# Altium PCB 10X SD CARD READER PCB.PcbDoc (part 4 of 4)
Units mm, origin at the board's own origin, x right, y up, seen from the top; angles counter-clockwise.
Board outline 157.35 x 86.61 mm, 6 copper layers (Top Layer, Int1_GND1, Int2 Sig1, Int3_PWR1, Int4_GND2, Bottom Layer), stack 1.538 mm thick; 309 components, 269 nets, 1221 pads, 584 vias.
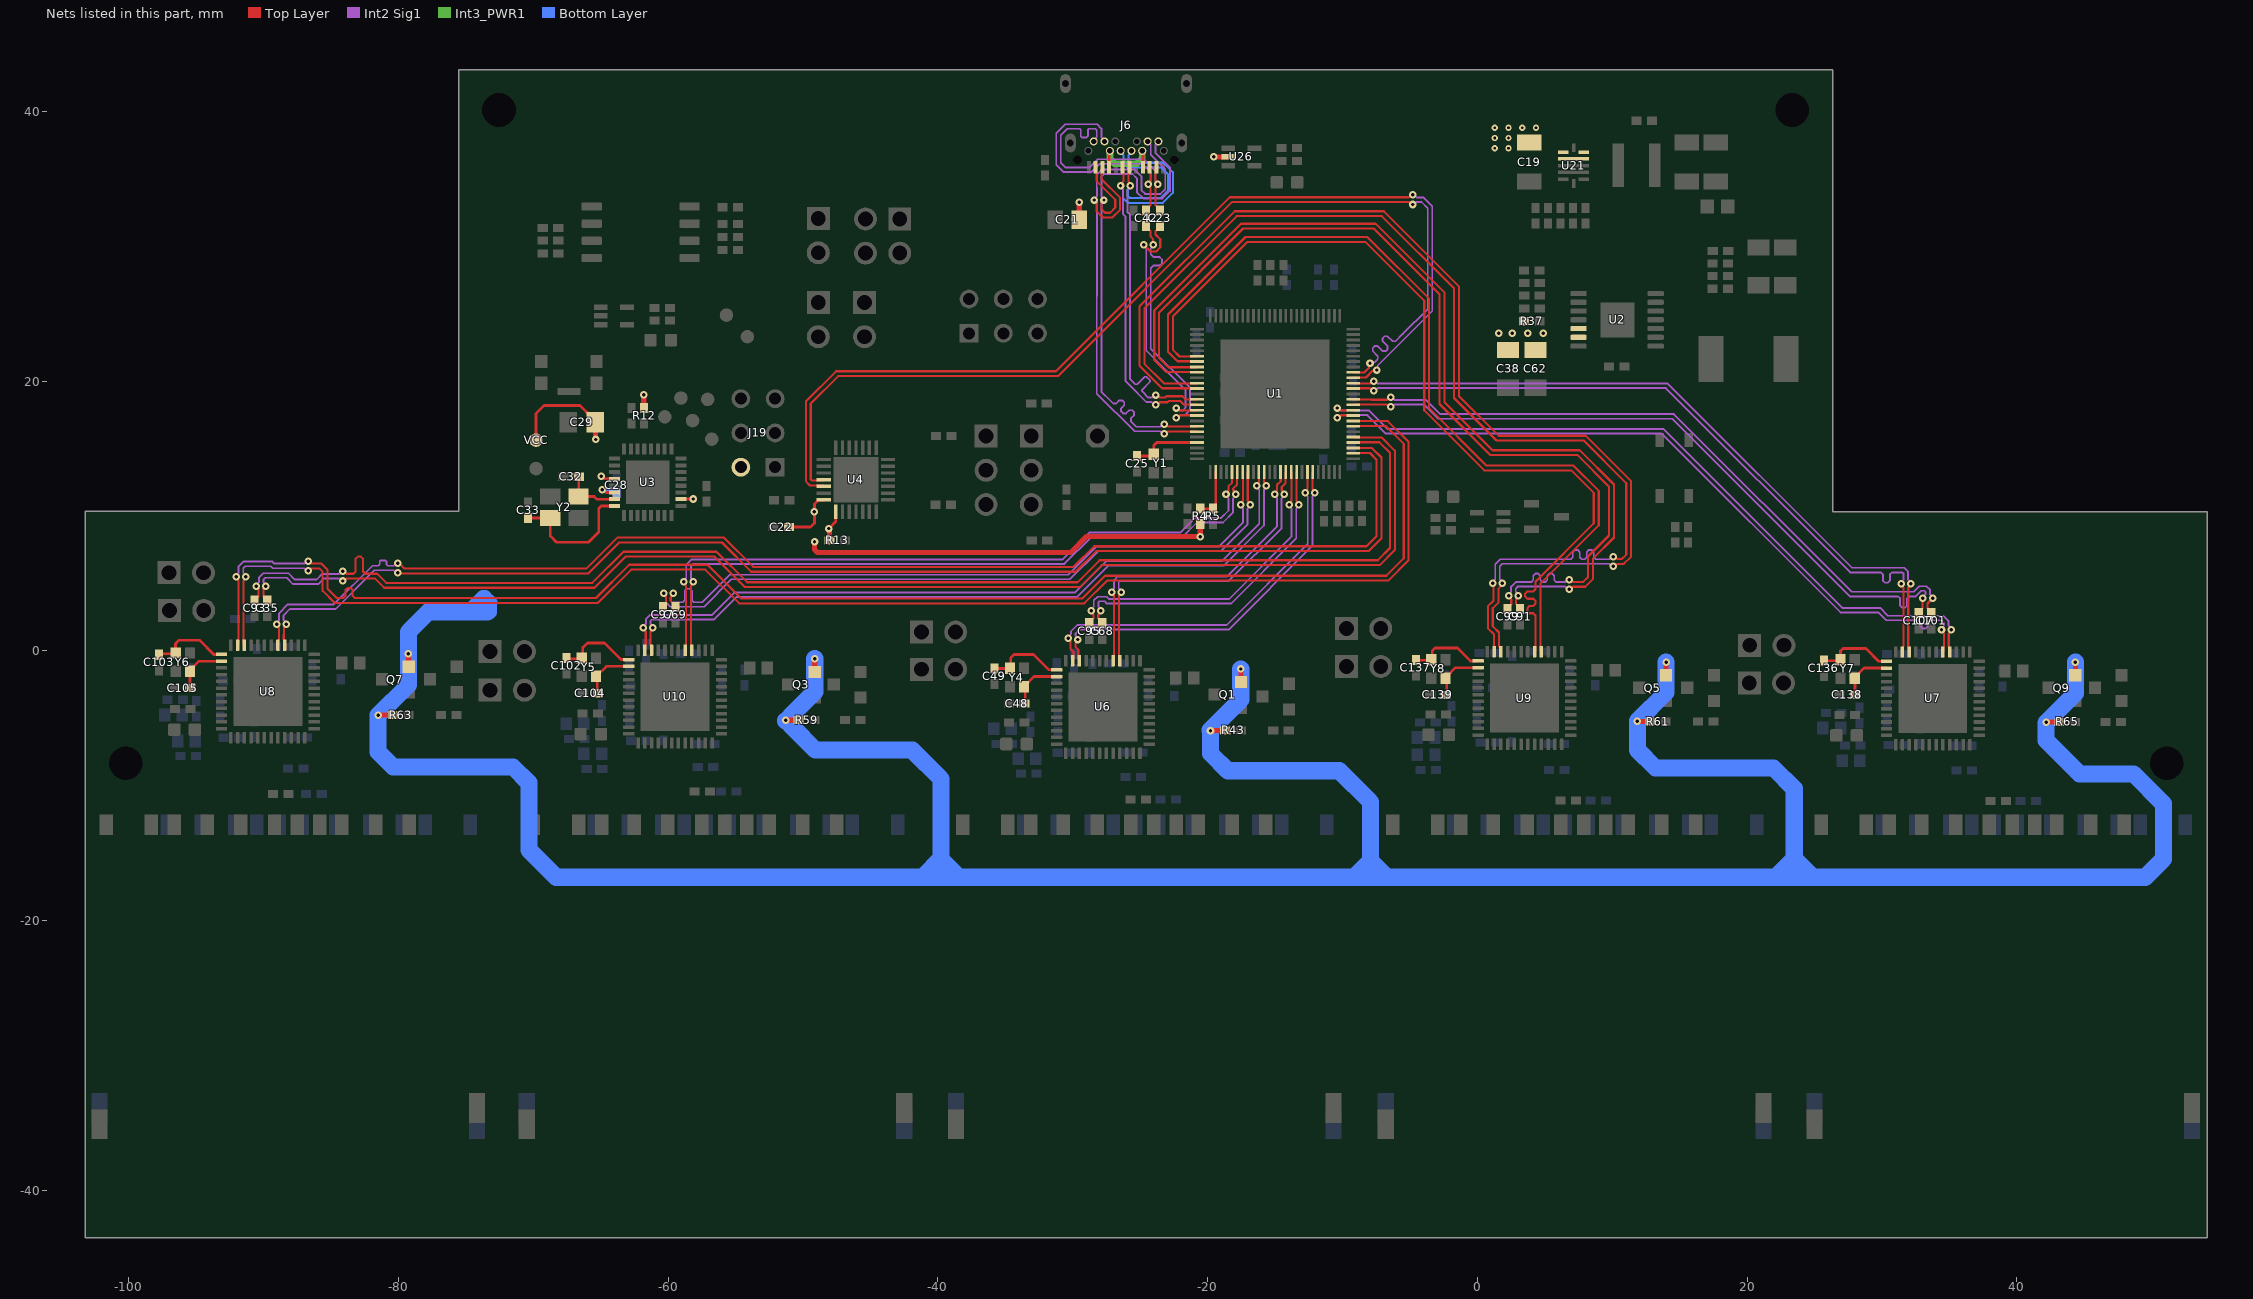
[diagram p8: the nets of this part, all layers, seen from the top]

## Via types
v1: diameter 0.559, hole 0.254, Top Layer to Bottom Layer, tented both sides, 572 vias
v2: diameter 0.457, hole 0.203, Top Layer to Bottom Layer, tented both sides, 12 vias

## Nets (pads, with @x,y where several pads share a name; then routed paths per layer and width w, separated by ;. In a path a pad name is that pad's centre, name@x,y a point inside that pad or via, vN(x,y) a via of type N, cw(c..) or ccw(c..) an arc to the next point about the centre after c; other vN are vias at no path point) (continued)
TX_N: C42.2 J6.A3 J6.B3 | length 19.4
  Top Layer w0.158: C42.2@-24.556,32.655 -24.556,32.73 -24.335,32.951 -24.321,32.951 -24.228,33.043 -24.228,33.806 -24.228,34.312 -24.403,34.486 v1(-24.403,34.595) -24.403,34.703 -24.228,34.878 -24.228,35.791 J6.A3@-24.298,35.86
  Int2 Sig1 w0.135: J6.B3@-27.648,37.77 -27.648,37.848 -27.881,38.081 -27.881,38.727 -28.198,39.044 -30.551,39.044 -31.227,38.368 -31.227,36.057 -30.664,35.494 -28.629,35.494 -28.013,36.11 -24.857,36.11 -24.217,35.47 -24.217,34.781 v1(-24.403,34.595)
TX_P: C23.2 J6.A2 J6.B2 | length 19.3
  Top Layer w0.158: J6.A2@-23.798,35.86 -23.867,35.791 -23.867,34.878 -23.692,34.703 v1(-23.692,34.595) -23.692,34.486 -23.867,34.312 -23.867,33.656 -23.867,33.043 -23.774,32.951 -23.76,32.951 -23.54,32.73 C23.2@-23.54,32.655
  Int2 Sig1 w0.135: J6.B2@-28.448,37.77 -28.448,37.853 -28.219,38.081 -28.219,38.586 -28.338,38.705 -28.8,38.705 -28.88,38.626 -28.88,38.154 -28.959,38.075 -29.334,38.075 -29.413,38.154 -29.413,38.626 -29.493,38.705 -30.411,38.705 -30.888,38.228 -30.888,36.197 -30.524,35.833 -28.77,35.833 -28.153,36.449 -24.717,36.449 -23.878,35.61 -23.878,34.781 v1(-23.692,34.595)
USB2.0_DN_PORT1_N: U1.6 U10.4 | length 51.5
  Top Layer w0.158: U10.4@-58.236,0.034 -58.287,0.084 -58.287,0.449 -58.306,0.467 -58.306,4.822 -58.131,4.997 v1(-58.131,5.105) ; v1(-17.926,11.608) -17.926,11.716 -18.1,11.891 -18.1,12.041 -17.82,12.322 -17.82,13.237 U1.6@-17.801,13.256
  Int2 Sig1 w0.135: v1(-58.131,5.105) -58.131,5.21 -58.317,5.396 -58.317,6.228 -58.102,6.443 -30.615,6.443 -28.634,8.424 -21.878,8.424 -20.788,9.514 -18.861,9.514 -18.112,10.264 -18.112,11.317 -17.926,11.503 v1(-17.926,11.608)
USB2.0_DN_PORT1_P: U1.5 U10.5 | length 51.5
  Top Layer w0.158: v1(-58.842,5.105) -58.842,4.997 -58.667,4.822 -58.667,0.467 -58.685,0.449 -58.685,0.084 U10.5@-58.736,0.034 ; v1(-18.637,11.595) -18.637,11.704 -18.462,11.879 -18.462,12.191 -18.182,12.471 -18.182,13.237 U1.5@-18.201,13.256
  Int2 Sig1 w0.135: v1(-58.842,5.105) -58.842,5.21 -58.656,5.396 -58.656,6.368 -58.242,6.782 -30.756,6.782 -28.774,8.763 -22.018,8.763 -20.928,9.853 -19.002,9.853 -18.45,10.404 -18.45,11.304 -18.637,11.491 v1(-18.637,11.595)
USB2.0_DN_PORT2_N: U1.15 U6.4 | length 24.2
  Top Layer w0.158: U6.4@-26.515,-0.728 -26.566,-0.678 -26.566,-0.313 -26.584,-0.295 -26.584,4.06 -26.486,4.158 -26.486,4.267 v1(-26.409,4.343) ; v1(-14.326,11.608) -14.326,11.716 -14.5,11.891 -14.5,12.143 -14.22,12.423 -14.22,13.237 U1.15@-14.201,13.256
  Int2 Sig1 w0.135: v1(-26.409,4.343) -26.409,4.448 -26.595,4.634 -26.595,5.102 -26.516,5.182 -18.419,5.182 -14.512,9.089 -14.512,11.317 -14.326,11.503 v1(-14.326,11.608)
USB2.0_DN_PORT2_P: U1.14 U6.5 | length 24.2
  Top Layer w0.158: v1(-27.12,4.343) -27.12,4.235 -26.945,4.06 -26.945,-0.295 -26.964,-0.313 -26.964,-0.678 U6.5@-27.015,-0.728 ; v1(-15.037,11.595) -15.037,11.704 -14.862,11.879 -14.862,12.293 -14.582,12.573 -14.582,13.237 U1.14@-14.601,13.256
  Int2 Sig1 w0.135: v1(-27.12,4.343) -27.12,4.448 -26.934,4.634 -26.934,5.243 -26.656,5.52 -18.559,5.52 -14.85,9.229 -14.85,11.304 -15.037,11.491 v1(-15.037,11.595)
USB2.0_DN_PORT3_N: U1.28 U8.4 | length 96.5
  Top Layer w0.158: U8.4@-88.434,0.415 -88.485,0.465 -88.485,0.83 -88.503,0.848 -88.503,1.218 -88.497,1.224 -88.497,1.682 -88.322,1.857 v1(-88.322,1.966) ; v1(-80.061,5.788) -80.008,5.735 -65.92,5.735 -63.622,8.034 -56.01,8.034 -53.838,5.862 -29.797,5.862 -28.267,7.391 -8.074,7.391 -7.112,8.353 -7.112,14.329 -7.811,15.028 -9.19,15.028 U1.28@-9.21,15.047
  Int2 Sig1 w0.135: v1(-88.322,1.966) -88.322,2.07 -88.515,2.263 -88.515,2.642 -88.057,3.099 -84.662,3.099 -81.786,5.975 -80.352,5.975 -80.166,5.788 v1(-80.061,5.788)
USB2.0_DN_PORT3_P: U1.27 U8.5 | length 96.6
  Top Layer w0.158: v1(-89.034,1.966) -89.034,1.857 -88.859,1.682 -88.859,1.374 -88.865,1.368 -88.865,0.848 -88.883,0.83 -88.883,0.465 U8.5@-88.934,0.415 ; v1(-80.061,6.5) -79.952,6.5 -79.55,6.097 -66.07,6.097 -63.772,8.395 -55.86,8.395 -53.688,6.223 -29.947,6.223 -28.417,7.753 -8.224,7.753 -7.473,8.503 -7.473,14.179 -7.961,14.667 -9.19,14.667 U1.27@-9.21,14.647
  Int2 Sig1 w0.135: v1(-89.034,1.966) -89.034,2.076 -88.853,2.257 -88.853,2.782 -88.198,3.437 -84.802,3.437 -81.926,6.313 -81.483,6.313 -81.382,6.415 -81.382,6.626 -81.302,6.706 -80.978,6.706 -80.899,6.626 -80.899,6.415 -80.797,6.313 -80.352,6.313 -80.166,6.5 v1(-80.061,6.5)
USB2.0_DN_PORT4_N: U1.35 U7.4 | length 55.6
  Top Layer w0.158: v1(-10.389,18.003) -10.28,18.003 -10.105,17.828 -9.229,17.828 U1.35@-9.21,17.847 ; U7.4@35.024,-0.093 34.973,-0.043 34.973,0.322 34.954,0.34 34.954,1.292 35.129,1.466 v1(35.129,1.575)
  Int2 Sig1 w0.135: v1(-10.389,18.003) -10.284,18.003 -10.098,17.817 -8.016,17.817 -6.642,16.442 13.809,16.442 27.068,3.183 29.862,3.183 30.446,2.599 34.541,2.599 34.943,2.198 34.943,1.866 35.129,1.68 v1(35.129,1.575)
USB2.0_DN_PORT4_P: U1.34 U7.5 | length 55.9
  Top Layer w0.158: v1(-10.389,17.292) -10.28,17.292 -10.105,17.467 -9.229,17.467 U1.34@-9.21,17.447 ; v1(34.418,1.575) 34.418,1.466 34.593,1.292 34.593,0.34 34.574,0.322 34.574,-0.043 U7.5@34.524,-0.093
  Int2 Sig1 w0.135: v1(-10.389,17.292) -10.284,17.292 -10.098,17.478 -8.156,17.478 -6.782,16.104 13.669,16.104 26.928,2.845 29.722,2.845 30.306,2.261 32.131,2.261 32.715,2.261 32.87,2.106 32.87,1.803 33.025,1.648 33.231,1.648 33.386,1.803 33.386,2.106 33.541,2.261 33.706,2.261 34.401,2.261 34.604,2.057 34.604,1.866 34.418,1.68 v1(34.418,1.575)
USB2.0_DN_PORT5_N: U1.82 U9.4 | length 65.8
  Top Layer w0.158: U1.82@-20.792,21.447 -20.811,21.467 -22.232,21.467 -22.942,22.177 -22.942,24.94 -17.194,30.689 -8.156,30.689 -3.576,26.109 -3.576,17.977 0.66,13.742 7.114,13.742 8.997,11.859 8.997,9.302 4.672,4.977 4.672,0.366 4.69,0.348 4.69,-0.017 U9.4@4.741,-0.068
USB2.0_DN_PORT5_P: U1.81 U9.5 | length 66
  Top Layer w0.158: U1.81@-20.792,21.847 -20.811,21.828 -22.082,21.828 -22.581,22.327 -22.581,24.79 -17.044,30.327 -8.305,30.327 -3.937,25.959 -3.937,17.828 0.51,13.381 6.965,13.381 8.636,11.709 8.636,9.452 4.366,5.182 4.31,5.126 4.31,4.563 4.149,4.401 3.707,4.401 3.546,4.24 3.546,4.024 3.707,3.862 4.149,3.862 4.31,3.7 4.31,3.485 4.149,3.323 3.869,3.323 3.708,3.161 3.708,2.945 3.869,2.784 4.149,2.784 4.31,2.622 4.31,2.261 4.31,0.366 4.292,0.348 4.292,-0.017 U9.5@4.241,-0.068
USB2.0_DN_PORT6_N: U1.41 U4.5 | length 76.4
  Top Layer w0.158: U4.5@-48.45,12.187 -48.498,12.235 -48.976,12.235 -48.997,12.257 -49.484,12.257 -49.789,12.561 -49.789,18.49 -47.546,20.732 -31.246,20.732 -18.349,33.63 -5.084,33.63 -4.909,33.805 v1(-4.801,33.805) ; U1.41@-9.21,20.247 -9.19,20.267 -8.258,20.267 -7.781,20.743 -7.534,20.743 v1(-7.457,20.82)
  Int2 Sig1 w0.135: v1(-7.457,20.82) -7.383,20.894 -7.383,21.158 -3.344,25.196 -3.344,32.963 -4,33.618 -4.51,33.618 -4.696,33.805 v1(-4.801,33.805)
USB2.0_DN_PORT6_P: U1.42 U4.4 | length 76.7
  Top Layer w0.158: U4.4@-48.45,12.687 -48.498,12.639 -48.976,12.639 -48.997,12.618 -49.335,12.618 -49.427,12.711 -49.427,18.34 -47.396,20.371 -31.097,20.371 -18.199,33.268 -5.084,33.268 -4.909,33.093 v1(-4.801,33.093) ; U1.42@-9.21,20.647 -9.19,20.628 -8.408,20.628 -8.037,20.999 -8.037,21.246 v1(-7.96,21.323)
  Int2 Sig1 w0.135: v1(-7.96,21.323) -7.886,21.397 -7.623,21.397 -7.431,21.589 -7.383,21.637 -7.383,21.856 -7.76,22.233 -7.76,22.453 -7.614,22.599 -7.395,22.599 -7.018,22.221 -6.799,22.221 -6.652,22.367 -6.652,22.586 -7.03,22.964 -7.03,23.183 -6.884,23.329 -6.665,23.329 -6.287,22.951 -6.068,22.951 -5.516,23.503 -3.683,25.337 -3.683,32.823 -4.14,33.28 -4.51,33.28 -4.696,33.093 v1(-4.801,33.093)
USB2.0_UP_D_N: J6.A7 J6.B7 U1.90 | length 33.5
  Top Layer w0.158: v1(-26.458,34.5) -26.458,34.608 -26.228,34.838 -26.228,35.791 J6.A7@-26.298,35.86 ; v1(-23.851,18.256) -23.742,18.256 -23.567,18.431 -22.979,18.431 -22.896,18.514 -22.011,18.514 -21.764,18.267 -20.811,18.267 U1.90@-20.792,18.247
  Int2 Sig1 w0.135: v1(-26.458,34.5) -26.458,34.395 -26.272,34.209 -26.272,32.368 -26.086,32.182 -26.086,19.994 -25.779,19.687 -24.534,18.442 -24.142,18.442 -23.955,18.256 v1(-23.851,18.256)
  Bottom Layer w0.158: v1(-26.458,34.5) -26.458,34.392 -26.283,34.217 -26.283,33.597 -25.904,33.217 -23.32,33.217 -22.575,33.962 -22.575,35.481 -23.289,36.195 -25.774,36.195 -25.867,36.288 -25.867,36.756 -25.648,36.976 J6.B7@-25.648,37.07
USB2.0_UP_D_P: J6.A6 J6.B6 U1.89 | length 33.5
  Top Layer w0.158: J6.A6@-25.798,35.86 -25.867,35.791 -25.867,34.793 -25.824,34.75 -25.824,34.577 v1(-25.747,34.5) ; v1(-23.851,18.967) -23.742,18.967 -23.567,18.792 -23.128,18.792 -23.045,18.875 -21.862,18.875 -21.614,18.628 -20.811,18.628 U1.89@-20.792,18.647
  Int2 Sig1 w0.135: v1(-25.747,34.5) -25.747,34.395 -25.933,34.209 -25.933,32.508 -25.747,32.322 -25.747,20.134 -25.375,19.761 -25.222,19.761 -24.656,20.327 -24.544,20.327 -24.275,20.059 -24.275,19.946 -24.861,19.36 -24.861,19.248 -24.394,18.781 -24.142,18.781 -23.955,18.967 v1(-23.851,18.967)
  Bottom Layer w0.158: J6.B6@-26.448,37.07 -26.448,36.976 -26.228,36.756 -26.228,36.138 -25.924,35.834 -23.438,35.834 -22.936,35.331 -22.936,34.112 -23.47,33.579 -25.754,33.579 -25.922,33.747 -25.922,34.217 -25.747,34.392 v1(-25.747,34.5)
USB3.0_DN_PORT1_RX_N: U1.11 U10.10 | length 54.9
  Top Layer w0.158: U10.10@-61.236,0.034 -61.287,0.084 -61.287,0.449 -61.306,0.467 -61.306,1.419 -61.131,1.593 v1(-61.131,1.702) ; U1.11@-15.801,13.256 -15.82,13.237 -15.82,12.511 -15.645,12.336 v1(-15.645,12.243)
  Int2 Sig1 w0.135: v1(-61.131,1.702) -61.131,1.807 -61.317,1.993 -61.317,2.21 -61.215,2.311 -56.62,2.311 -54.952,3.979 -29.701,3.979 -27.364,6.316 -18.808,6.316 -15.832,9.293 -15.832,11.952 -15.645,12.138 v1(-15.645,12.243)
USB3.0_DN_PORT1_RX_P: U1.10 U10.11 | length 54.9
  Top Layer w0.158: v1(-61.842,1.702) -61.842,1.593 -61.667,1.419 -61.667,0.467 -61.685,0.449 -61.685,0.084 U10.11@-61.736,0.034 ; v1(-16.356,12.243) -16.356,12.336 -16.182,12.511 -16.182,13.237 U1.10@-16.201,13.256
  Int2 Sig1 w0.135: v1(-61.842,1.702) -61.842,1.807 -61.656,1.993 -61.656,2.35 -61.356,2.65 -56.761,2.65 -55.093,4.318 -29.841,4.318 -27.504,6.655 -18.948,6.655 -16.17,9.433 -16.17,11.952 -16.356,12.138 v1(-16.356,12.243)
USB3.0_DN_PORT1_TX_N: C97.1 U1.8 | length 51.6
  Top Layer w0.158: v1(-60.342,4.267) -60.342,4.159 -60.159,3.976 -60.159,3.465 -60.173,3.451 C97.1@-60.173,3.327 ; U1.8@-17.001,13.256 -17.02,13.237 -17.02,12.02 -17.02,11.129 -16.845,10.954 v1(-16.845,10.846)
  Int2 Sig1 w0.135: v1(-60.342,4.267) -60.342,4.162 -60.156,3.976 -60.156,3.568 -59.856,3.268 -57.34,3.268 -55.308,5.3 -30.209,5.3 -28.126,7.383 -19.037,7.383 -17.032,9.388 -17.032,10.555 -16.845,10.741 v1(-16.845,10.846)
USB3.0_DN_PORT1_TX_P: C69.1 U1.7 | length 52.3
  Top Layer w0.158: v1(-59.631,4.267) -59.631,4.159 -59.798,3.992 -59.798,3.664 -59.464,3.33 C69.1@-59.464,3.255 ; v1(-17.556,10.846) -17.556,10.954 -17.382,11.129 -17.382,11.87 -17.382,13.237 U1.7@-17.401,13.256
  Int2 Sig1 w0.135: v1(-59.631,4.267) -59.631,4.162 -59.817,3.976 -59.817,3.708 -59.715,3.607 -59.055,3.607 -58.916,3.607 -58.761,3.762 -58.761,4.443 -58.606,4.598 -58.4,4.598 -58.245,4.443 -58.245,3.762 -58.09,3.607 -57.506,3.607 -57.48,3.607 -55.448,5.639 -30.349,5.639 -28.266,7.722 -19.177,7.722 -17.37,9.528 -17.37,10.555 -17.556,10.741 v1(-17.556,10.846)
USB3.0_DN_PORT2_RX_N: U1.20 U6.10 | length 28.2
  Top Layer w0.158: v1(-29.624,0.836) -29.624,0.728 -29.795,0.557 -29.795,0.29 -29.584,0.079 -29.584,-0.295 -29.566,-0.313 -29.566,-0.678 U6.10@-29.515,-0.728 ; U1.20@-12.201,13.256 -12.22,13.237 -12.22,12.018 -12.045,11.843 v1(-12.045,11.735)
  Int2 Sig1 w0.135: v1(-29.624,0.836) -29.624,0.951 -29.794,1.121 -29.794,1.297 -29.516,1.575 -18.444,1.575 -12.232,7.787 -12.232,11.444 -12.045,11.63 v1(-12.045,11.735)
USB3.0_DN_PORT2_RX_P: U1.19 U6.11 | length 28.2
  Top Layer w0.158: v1(-30.327,0.942) -30.327,0.833 -30.156,0.662 -30.156,0.14 -29.945,-0.071 -29.945,-0.295 -29.964,-0.313 -29.964,-0.678 U6.11@-30.015,-0.728 ; v1(-12.756,11.735) -12.756,11.843 -12.582,12.018 -12.582,13.237 U1.19@-12.601,13.256
  Int2 Sig1 w0.135: v1(-30.327,0.942) -30.327,1.038 -30.133,1.233 -30.133,1.437 -29.656,1.913 -18.584,1.913 -12.57,7.928 -12.57,11.444 -12.756,11.63 v1(-12.756,11.735)
USB3.0_DN_PORT2_TX_N: C68.1 U1.17 | length 23.7
  Top Layer w0.158: v1(-27.93,2.971) -27.93,2.863 -28.114,2.679 -28.114,2.415 -27.814,2.115 C68.1@-27.814,2.04 ; U1.17@-13.401,13.256 -13.42,13.237 -13.42,11.129 -13.245,10.954 v1(-13.245,10.846)
  Int2 Sig1 w0.135: v1(-27.93,2.971) -27.93,3.086 -28.1,3.255 -28.1,3.593 -28.02,3.673 -27.635,3.673 -27.467,3.505 -18.266,3.505 -13.432,8.34 -13.432,10.555 -13.245,10.741 v1(-13.245,10.846)
USB3.0_DN_PORT2_TX_P: C95.1 U1.16 | length 23.7
  Top Layer w0.158: C95.1@-28.775,2.04 -28.775,2.115 -28.475,2.415 -28.475,2.697 -28.641,2.863 v1(-28.641,2.971) ; v1(-13.956,10.846) -13.956,10.954 -13.782,11.129 -13.782,13.237 U1.16@-13.801,13.256
  Int2 Sig1 w0.135: v1(-28.641,2.971) -28.641,3.059 -28.438,3.262 -28.438,3.734 -28.161,4.011 -27.495,4.011 -27.327,3.844 -18.406,3.844 -13.77,8.48 -13.77,10.555 -13.956,10.741 v1(-13.956,10.846)
USB3.0_DN_PORT3_RX_N: U1.33 U8.10 | length 111.4
  Top Layer w0.158: U8.10@-91.434,0.415 -91.485,0.465 -91.485,0.83 -91.503,0.848 -91.503,5.203 -91.328,5.378 v1(-91.328,5.486) ; v1(-86.69,5.941) -86.582,5.941 -86.407,6.116 -85.872,6.116 -85.623,5.867 -85.623,4.442 -84.738,3.556 -65.199,3.556 -62.735,6.02 -57.239,6.02 -54.738,3.519 -29.145,3.519 -27.457,5.207 -6.601,5.207 -5.1,6.708 -5.1,15.491 -6.636,17.028 -9.19,17.028 U1.33@-9.21,17.047
  Int2 Sig1 w0.135: v1(-91.328,5.486) -91.328,5.591 -91.515,5.777 -91.515,6.121 -91.362,6.274 -89.484,6.274 -89.338,6.127 -86.981,6.127 -86.795,5.941 v1(-86.69,5.941)
USB3.0_DN_PORT3_RX_P: U1.32 U8.11 | length 111.9
  Top Layer w0.158: v1(-92.04,5.486) -92.04,5.378 -91.865,5.203 -91.865,0.848 -91.883,0.83 -91.883,0.465 U8.11@-91.934,0.415 ; v1(-86.69,6.652) -86.582,6.652 -86.407,6.477 -85.722,6.477 -85.262,6.017 -85.262,4.592 -84.588,3.917 -84.176,3.917 -84.096,3.917 -83.935,4.079 -83.935,4.506 -83.773,4.668 -83.557,4.668 -83.395,4.506 -83.395,4.079 -83.234,3.917 -82.525,3.917 -65.348,3.917 -62.885,6.381 -57.09,6.381 -54.589,3.88 -29.295,3.88 -27.607,5.568 -6.751,5.568 -5.461,6.858 -5.461,15.342 -6.786,16.667 -9.19,16.667 U1.32@-9.21,16.647
  Int2 Sig1 w0.135: v1(-92.04,5.486) -92.04,5.591 -91.853,5.777 -91.853,6.262 -91.502,6.612 -89.344,6.612 -89.197,6.466 -86.981,6.466 -86.795,6.652 v1(-86.69,6.652)
USB3.0_DN_PORT3_TX_N: C35.1 U1.30 | length 100.4
  Top Layer w0.158: v1(-89.843,4.801) -90.018,4.626 -90.018,4.025 C35.1@-89.73,3.738 ; v1(-84.125,5.179) -84.016,5.179 -83.842,5.354 -81.731,5.354 -81.051,4.674 -65.469,4.674 -63.16,6.982 -56.563,6.982 -54.299,4.719 -29.492,4.719 -27.861,6.35 -7.236,6.35 -6.116,7.47 -6.116,14.831 -7.113,15.828 -9.19,15.828 U1.30@-9.21,15.847
  Int2 Sig1 w0.135: v1@-90,4.884 -89.924,4.96 -89.924,4.996 -90,5.072 -90,5.31 -89.893,5.417 -88.294,5.417 -87.822,4.946 -85.939,4.946 -85.52,5.365 -84.416,5.365 -84.23,5.179 v1(-84.125,5.179)
USB3.0_DN_PORT3_TX_P: C93.1 U1.29 | length 101.8
  Top Layer w0.158: C93.1@-90.667,3.733 -90.379,4.021 -90.379,4.626 v1(-90.554,4.801) ; v1(-84.125,5.89) -84.016,5.89 -83.842,5.715 -83.414,5.715 -83.334,5.715 -83.173,5.877 -83.173,6.823 -83.011,6.985 -82.795,6.985 -82.633,6.823 -82.633,5.877 -82.472,5.715 -82.268,5.715 -81.582,5.715 -80.902,5.035 -65.619,5.035 -63.31,7.344 -56.414,7.344 -54.15,5.08 -29.642,5.08 -28.01,6.711 -7.386,6.711 -6.477,7.62 -6.477,14.681 -7.262,15.467 -9.19,15.467 U1.29@-9.21,15.447
  Int2 Sig1 w0.135: v1@-90.483,4.953 -90.483,4.986 -90.339,5.131 -90.339,5.45 -90.033,5.756 -88.153,5.756 -87.682,5.285 -86.079,5.285 -85.66,5.704 -84.416,5.704 -84.23,5.89 v1(-84.125,5.89)
USB3.0_DN_PORT4_RX_N: U1.40 U7.10 | length 53.2
  Top Layer w0.158: U1.40@-9.21,19.847 -9.19,19.828 -7.972,19.828 -7.797,20.003 v1(-7.688,20.003) ; U7.10@32.024,-0.093 31.973,-0.043 31.973,0.322 31.954,0.34 31.954,4.695 32.129,4.87 v1(32.129,4.978)
  Int2 Sig1 w0.135: v1(-7.688,20.003) -7.584,20.003 -7.397,19.817 14.118,19.817 27.779,6.155 31.665,6.155 31.943,5.878 31.943,5.269 32.129,5.083 v1(32.129,4.978)
USB3.0_DN_PORT4_RX_P: U1.39 U7.11 | length 53.9
  Top Layer w0.158: U1.39@-9.21,19.447 -9.19,19.467 -7.972,19.467 -7.797,19.292 v1(-7.688,19.292) ; v1(31.418,4.978) 31.418,4.87 31.593,4.695 31.593,0.34 31.574,0.322 31.574,-0.043 U7.11@31.524,-0.093
  Int2 Sig1 w0.135: v1(-7.688,19.292) -7.584,19.292 -7.397,19.478 13.977,19.478 27.639,5.817 29.337,5.817 29.921,5.817 30.076,5.662 30.076,5.2 30.231,5.045 30.437,5.045 30.592,5.2 30.592,5.662 30.747,5.817 30.963,5.817 31.525,5.817 31.604,5.737 31.604,5.269 31.418,5.083 v1(31.418,4.978)
USB3.0_DN_PORT4_TX_N: C101.1 U1.37 | length 51.2
  Top Layer w0.158: U1.37@-9.21,18.647 -9.19,18.628 -7.852,18.628 -7.845,18.621 -6.709,18.621 -6.535,18.796 v1(-6.426,18.796) ; C101.1@33.659,2.817 33.659,2.892 33.376,3.176 33.376,3.511 v1(33.756,3.892)
  Int2 Sig1 w0.135: v1(-6.426,18.796) -6.321,18.796 -6.135,18.61 -3.819,18.61 -2.76,17.551 14.58,17.551 27.754,4.377 32.369,4.377 32.784,4.792 33.292,4.792 33.569,4.515 33.569,4.183 33.756,3.997 v1(33.756,3.892)
USB3.0_DN_PORT4_TX_P: C107.1 U1.36 | length 51.6
  Top Layer w0.158: U1.36@-9.21,18.247 -9.19,18.267 -8.002,18.267 -7.995,18.26 -6.709,18.26 -6.535,18.085 v1(-6.426,18.085) ; C107.1@32.893,2.921 32.893,3.055 33.014,3.176 33.014,3.873 v1(33.039,3.897)
  Int2 Sig1 w0.135: v1(-6.426,18.085) -6.321,18.085 -6.135,18.271 -3.959,18.271 -2.9,17.213 14.439,17.213 27.614,4.039 30.607,4.039 31.191,4.039 31.346,3.884 31.346,3.342 31.501,3.188 31.707,3.188 31.862,3.342 31.862,3.884 32.017,4.039 32.106,4.039 32.509,4.039 32.924,4.454 33.151,4.454 33.231,4.374 33.231,4.183 33.039,3.991 v1(33.039,3.897)
USB3.0_DN_PORT5_RX_N: U1.87 U9.10 | length 84.5
  Top Layer w0.158: U1.87@-20.792,19.447 -20.811,19.467 -23.381,19.467 -25.05,21.135 -25.05,25.538 -17.995,32.593 -6.936,32.593 -1.366,27.024 -1.366,18.892 1.575,15.951 8.03,15.951 11.405,12.576 11.405,6.982 10.869,6.446 10.367,6.446 10.192,6.271 v1(10.084,6.271) ; U9.10@1.741,-0.068 1.741,0.222 1.603,0.361 1.603,1.363 1.144,1.821 1.144,3.16 1.556,3.572 1.556,4.605 1.847,4.896 v1(1.847,5.004)
  Int2 Sig1 w0.135: v1(1.847,5.004) 1.847,5.109 1.66,5.295 1.66,6.283 1.835,6.457 9.793,6.457 9.979,6.271 v1(10.084,6.271)
USB3.0_DN_PORT5_RX_P: U1.86 U9.11 | length 84.6
  Top Layer w0.158: U1.86@-20.792,19.847 -20.811,19.828 -23.232,19.828 -24.689,21.285 -24.689,25.388 -17.845,32.232 -7.086,32.232 -1.728,26.874 -1.728,18.743 1.425,15.59 7.88,15.59 11.043,12.426 11.043,7.132 10.719,6.807 10.367,6.807 10.192,6.982 v1(10.084,6.982) ; v1(1.136,5.004) 1.195,4.945 1.195,3.722 0.783,3.31 0.783,1.672 1.241,1.213 U9.11@1.241,-0.068
  Int2 Sig1 w0.135: v1(1.136,5.004) 1.136,5.109 1.322,5.295 1.322,6.424 1.694,6.796 6.858,6.796 6.926,6.796 7.081,6.951 7.081,7.324 7.236,7.479 7.442,7.479 7.597,7.324 7.597,6.951 7.752,6.796 7.958,6.796 8.113,6.951 8.113,7.324 8.268,7.479 8.475,7.479 8.63,7.324 8.63,6.951 8.785,6.796 9.347,6.796 9.793,6.796 9.979,6.982 v1(10.084,6.982)
USB3.0_DN_PORT5_TX_N: C91.1 U1.84 | length 72.4
  Top Layer w0.158: U1.84@-20.792,20.647 -20.811,20.667 -21.687,20.667 -23.057,20.667 -23.958,21.567 -23.958,25.239 -17.526,31.672 -7.539,31.672 -2.444,26.577 -2.444,18.446 1.128,14.874 7.583,14.874 10.129,12.328 10.129,8.402 8.566,6.838 8.566,5.314 7.998,4.747 7.09,4.747 6.916,4.572 v1(6.807,4.572) ; v1(3.031,4.098) 3.031,3.989 2.873,3.831 2.873,3.471 3.176,3.168 C91.1@3.176,3.093
  Int2 Sig1 w0.135: v1(3.031,4.098) 3.031,4.202 2.845,4.389 2.845,4.618 2.985,4.758 6.516,4.758 6.702,4.572 v1(6.807,4.572)
USB3.0_DN_PORT5_TX_P: C99.1 U1.83 | length 72.3
  Top Layer w0.158: U1.83@-20.792,21.047 -20.811,21.028 -21.537,21.028 -22.908,21.028 -23.597,21.717 -23.597,25.09 -17.376,31.31 -7.688,31.31 -2.805,26.427 -2.805,18.296 0.979,14.512 7.433,14.512 9.768,12.178 9.768,8.551 8.204,6.988 8.204,5.464 7.849,5.108 7.09,5.108 6.916,5.283 v1(6.807,5.283) ; C99.1@2.241,3.098 2.241,3.173 2.511,3.443 2.511,3.798 2.32,3.989 v1(2.32,4.098)
  Int2 Sig1 w0.135: v1(2.32,4.098) 2.32,4.202 2.506,4.389 2.506,4.758 2.845,5.097 3.925,5.097 3.993,5.097 4.147,5.252 4.147,5.569 4.302,5.724 4.509,5.724 4.664,5.569 4.664,5.252 4.819,5.097 5.025,5.097 5.18,5.252 5.18,5.569 5.335,5.724 5.542,5.724 5.697,5.569 5.697,5.252 5.852,5.097 6.071,5.097 6.516,5.097 6.702,5.283 v1(6.807,5.283)
USB3.0_UP_RXD_N: J6.A10 J6.B10 U1.95 | length 42.9
  Top Layer w0.158: v1(-28.397,33.426) -28.222,33.252 -28.222,32.591 -27.757,32.125 -27.079,32.125 -26.486,32.718 -26.486,33.602 -27.864,34.979 -27.864,35.794 J6.A10@-27.798,35.86 ; v1(-23.216,16.092) -23.107,16.092 -22.932,16.267 -20.811,16.267 U1.95@-20.792,16.247
  Int2 Sig1 w0.135: v1(-28.397,33.426) v1@-28.236,33.426 ; J6.B10@-24.448,37.77 -24.215,37.537 -24.215,36.788 -23.139,35.712 -23.139,34.239 -23.495,33.884 -24.638,33.884 -24.909,34.155 -24.909,35.174 -25.431,35.695 -27.819,35.695 -28.217,35.297 -28.217,34.33 -28.211,34.324 -28.211,33.717 -28.311,33.617 -28.311,33.501 v1@-28.236,33.426 ; v1(-23.216,16.092) -23.32,16.092 -23.507,16.278 -25.418,16.278 -28.217,19.077 -28.217,26.283 -28.211,26.289 -28.211,33.135 -28.311,33.236 -28.311,33.351 v1@-28.236,33.426
USB3.0_UP_RXD_P: J6.A11 J6.B11 U1.94 | length 42.8
  Top Layer w0.158: J6.A11@-28.298,35.86 -28.227,35.789 -28.227,35.398 -28.225,35.396 -28.225,34.829 -26.848,33.452 -26.848,32.868 -27.229,32.487 -27.607,32.487 -27.861,32.741 -27.861,33.252 v1(-27.686,33.426) ; v1(-23.216,16.803) -23.107,16.803 -22.932,16.628 -20.811,16.628 U1.94@-20.792,16.647
  Int2 Sig1 w0.135: J6.B11@-23.648,37.77 -23.876,37.541 -23.876,36.928 -22.801,35.853 -22.801,34.099 -23.355,33.545 -24.778,33.545 -25.248,34.014 -25.248,35.033 -25.571,35.357 -27.678,35.357 -27.878,35.157 -27.878,34.471 -27.872,34.465 -27.872,33.717 -27.686,33.531 v1(-27.686,33.426) -27.686,33.322 -27.872,33.135 -27.872,26.149 -27.878,26.143 -27.878,19.217 -27.203,18.542 -27.001,18.339 -26.781,18.339 -26.548,18.572 -26.329,18.572 -26.183,18.426 -26.183,18.207 -26.416,17.974 -26.416,17.755 -26.27,17.609 -26.051,17.609 -25.818,17.842 -25.599,17.842 -25.453,17.696 -25.453,17.477 -25.686,17.244 -25.686,17.025 -25.278,16.617 -25.268,16.617 -23.507,16.617 -23.32,16.803 v1(-23.216,16.803)
USB3.0_UP_TXD_N: C42.1 U1.92 | length 19.2
  Top Layer w0.158: C42.1@-24.556,31.505 -24.556,31.43 -24.228,31.103 -24.228,30.716 -24.04,30.527 -24.04,30.136 v1(-24.028,30.124) ; v1(-22.323,17.292) -22.215,17.292 -22.04,17.467 -20.811,17.467 U1.92@-20.792,17.447
  Int2 Sig1 w0.135: v1(-24.028,30.124) -24.028,30.02 -24.215,29.833 -24.215,29.489 -24.215,29.401 -24.022,29.208 -23.577,29.208 -23.384,29.015 -23.384,28.758 -23.577,28.565 -24.022,28.565 -24.215,28.372 -24.215,27.661 -24.215,22.408 -21.302,19.495 -21.302,17.88 -21.704,17.478 -22.032,17.478 -22.218,17.292 v1(-22.323,17.292)
USB3.0_UP_TXD_P: C23.1 U1.91 | length 19.3
  Top Layer w0.158: v1(-24.74,30.124) -24.74,30.113 -24.24,29.613 -23.817,29.613 -23.517,29.913 -23.517,30.516 -23.867,30.866 -23.867,31.103 -23.54,31.43 C23.1@-23.54,31.505 ; v1(-22.323,18.003) -22.215,18.003 -22.04,17.828 -20.811,17.828 U1.91@-20.792,17.847
  Int2 Sig1 w0.135: v1(-24.74,30.124) -24.74,30.02 -24.553,29.833 -24.553,22.267 -22.987,20.701 -21.755,19.469 -21.641,19.355 -21.641,18.02 -21.844,17.817 -22.032,17.817 -22.218,18.003 v1(-22.323,18.003)
VBUS: C19.2 C21.2 C22.1 C28.1 C29.1 C38.2 C62.2 J6.A4 J6.A9 J6.B4 J6.B9 J19.2 Q1.2 Q3.2 Q5.2 Q7.2 Q9.2 R4.2 R12.1 R13.1 R37.2 R43.1 R59.1 R61.1 R63.1 R65.1 U2.12 U2.13 U3.4 U3.6 U3.18 U4.7 U4.8 U21.1 U21.2 U21.8 U26.2 VCC.1 | length 343.4
  Top Layer w0.203: VCC.1@-69.799,15.621 -69.799,17.602 -69.215,18.186 -66.54,18.186 -65.634,17.28 C29.1@-65.634,17.221 ; v1(-64.948,12.929) -64.852,12.929 -64.674,12.751 U3.4@-63.983,12.751 ; v1(-64.897,11.938) -64.803,11.938 -64.6,11.735 U3.6@-63.983,11.735 ; U3.18@-59.055,11.252 -59.051,11.256 -59.049,11.254 -58.142,11.254 v1(-58.141,11.256) ; C22.1@-50.978,9.296 -50.854,9.172 -49.451,9.172 -49.157,9.466 v1(-49.157,10.312) -49.157,10.887 -48.857,11.187 U4.7@-48.45,11.187 ; v1(-48.082,9.068) -47.576,9.574 U4.8@-47.576,10.312 ; J6.A9@-27.298,35.86 -27.298,37.02 J6.B4@-27.248,37.07 ; J6.B9@-24.848,37.07 -24.798,37.02 J6.A4@-24.798,35.86
  Top Layer w0.381: v1(-81.509,-4.775) -81.502,-4.768 -80.435,-4.768 -80.428,-4.775 R63.1@-80.414,-4.761 ; v1(-79.264,-0.203) -79.25,-0.217 -79.25,-1.135 -79.264,-1.149 Q7.2@-79.236,-1.177 ; C29.1@-65.396,16.942 -65.38,16.926 v1(-65.38,15.672) ; v1(-61.824,18.974) -61.807,18.957 -61.807,18.048 -61.824,18.032 R12.1@-61.791,17.999 ; v1(-51.283,-5.156) -51.276,-5.149 -50.336,-5.149 -50.329,-5.156 R59.1@-50.315,-5.142 ; v1(-49.149,8.103) -49.149,7.518 -48.92,7.29 -30.15,7.29 -28.972,8.467 v1(-20.549,8.467) R4.2@-20.549,9.391 ; Q3.2@-49.137,-1.558 v1(-49.137,-0.584) ; v1(-48.082,9.068) -48.082,9.02 -48.029,8.966 R13.1@-48.029,8.193 ; C21.2@-29.537,31.97 -29.515,31.992 v1(-29.515,33.249) ; v1(-19.787,-5.916) -19.781,-5.91 -18.709,-5.91 -18.703,-5.916 R43.1@-18.692,-5.904 ; v1(-19.533,36.627) U26.2@-18.476,36.627 ; v1(-17.542,-1.346) -17.528,-1.36 -17.528,-2.278 -17.542,-2.292 Q1.2@-17.514,-2.32 ; v1(11.864,-5.215) 11.878,-5.229 12.762,-5.229 12.776,-5.215 R61.1@12.804,-5.243 ; Q5.2@13.982,-1.812 13.995,-1.799 13.989,-1.793 13.989,-0.845 v1(13.995,-0.838) ; v1(42.189,-5.283) 42.196,-5.276 43.136,-5.276 43.143,-5.283 R65.1@43.157,-5.269 ; Q9.2@44.335,-1.812 44.348,-1.799 44.342,-1.793 44.342,-0.845 v1(44.348,-0.838)
  Int3_PWR1 w0.508: J6.B4@-27.248,37.07 -27.23,37.052 -27.23,36.45 -26.899,36.119 -25.248,36.119 -24.848,36.519 J6.B9@-24.848,37.07
  Bottom Layer w0.381: v1(-64.897,11.938) -64.849,11.938 -64.788,11.877 -63.943,11.877 -63.943,11.802 C28.1@-63.833,11.693
  Bottom Layer w1.016: -74.855,2.894 -73.736,4.013 ; -73.584,4.013 -73.609,4.013 ; -73.203,2.87 -73.203,3.48 -73.736,4.013 ; -73.177,3.581 -73.609,4.013 ; -41.275,-16.713 -41.264,-16.713 -39.776,-15.225 -39.776,-15.265 -38.252,-16.789 -38.176,-16.866 ; -9.449,-16.891 -9.426,-16.891 -9.324,-16.789 -7.925,-15.39 -6.526,-16.789 -6.477,-16.789 ; 21.895,-16.866 21.895,-16.802 21.908,-16.789 23.495,-15.202 25.082,-16.789 25.184,-16.891 25.425,-16.891 ; -73.736,4.013 -73.609,4.013
  Bottom Layer w1.27: -73.396,2.894 -74.855,2.894 -77.776,2.894 -79.264,1.407 v1(-79.264,-0.203) -79.264,-2.53 v1(-81.509,-4.775) -81.509,-7.493 -80.391,-8.611 -71.501,-8.611 -70.333,-9.779 -70.333,-14.757 -68.301,-16.789 -38.252,-16.789 -9.324,-16.789 -6.526,-16.789 21.908,-16.789 25.082,-16.789 49.53,-16.789 50.869,-15.45 50.869,-11.336 48.655,-9.122 44.657,-9.122 42.164,-6.629 v1@42.164,-5.359 ; v1@-51.308,-5.207 v1@-51.27,-5.169 ; v1(-51.283,-5.156) v1@-51.27,-5.169 ; v1(-49.137,-0.584) -49.137,-3.036 -50.762,-4.661 ; -39.776,-16.662 -39.776,-15.265 ; -39.776,-15.225 -39.776,-9.494 -41.905,-7.366 -49.073,-7.366 -50.762,-5.677 ; v1@-19.812,-5.893 -17.542,-3.622 v1(-17.542,-1.346) ; v1(-19.787,-5.916) -19.787,-7.606 -18.502,-8.89 -10.236,-8.89 -7.925,-11.201 -7.925,-15.39 -7.925,-16.612 ; v1@11.862,-5.232 v1@11.864,-5.23 ; v1(11.864,-5.215) v1@11.864,-5.23 ; v1(13.995,-0.838) 13.995,-3.099 v1@11.864,-5.23 ; 23.495,-16.535 23.495,-15.202 23.495,-10.221 21.96,-8.687 13.208,-8.687 11.864,-7.343 v1@11.864,-5.23 ; v1@42.215,-5.283 44.348,-3.15 v1(44.348,-0.838) ; v1@-51.27,-5.169 -50.762,-4.661 ; v1@-51.27,-5.169 -50.762,-5.677 ; -50.762,-5.677 -50.762,-4.661
  other v1: 1.579,23.55 2.595,23.55 3.738,23.55 4.881,23.55
  other v2: 1.295,37.262 2.311,37.262 1.295,38.024 2.311,38.024 1.295,38.786 2.311,38.786 3.327,38.786 4.343,38.786
VBUSDET: R4.1 R5.1 U1.2 | length 3.8
  Top Layer w0.203: R4.1@-20.549,10.541 R5.1@-19.592,10.541 -19.401,10.732 U1.2@-19.401,13.256
XTAL1: C32.1 U3.7 Y2.3 | length 4.2
  Top Layer w0.203: C32.1@-66.633,12.906 -66.633,11.451 Y2.3@-66.641,11.443 -65.489,11.443 -65.278,11.232 -64.003,11.232 U3.7@-63.983,11.252
XTAL1_IN: C102.1 U10.13 Y5.1 | length 6.1
  Top Layer w0.203: C102.1@-67.558,-0.602 -66.385,-0.602 -66.327,-0.544 -66.327,0.245 -65.988,0.584 -64.732,0.584 -63.497,-0.651 U10.13@-62.921,-0.651
XTAL1_OUT: C104.1 U10.14 Y5.3 | length 4
  Top Layer w0.203: C104.1@-65.253,-3.147 -65.253,-1.919 -65.277,-1.894 -65.277,-1.844 -64.585,-1.151 U10.14@-62.921,-1.151
XTAL2: C33.1 U3.8 Y2.1 | length 10.1
  Top Layer w0.203: C33.1@-70.38,9.839 -70.376,9.843 Y2.1@-68.741,9.843 -68.741,8.518 -68.275,8.052 -65.913,8.052 -65.151,8.814 -65.151,10.566 -64.973,10.744 U3.8@-63.983,10.744
XTAL2_IN: C49.1 U6.13 Y4.1 | length 5.9
  Top Layer w0.203: C49.1@-35.814,-1.304 -35.812,-1.306 Y4.1@-34.663,-1.306 -34.606,-1.249 -34.606,-0.519 -34.354,-0.267 -32.921,-0.267 -31.775,-1.413 U6.13@-31.2,-1.413
XTAL2_OUT: C48.1 U6.14 Y4.3 | length 4
  Top Layer w0.203: C48.1@-33.531,-3.909 -33.531,-2.681 -33.556,-2.656 -33.556,-2.606 -32.863,-1.913 U6.14@-31.2,-1.913
XTAL3_IN: C103.1 U8.13 Y6.1 | length 5.9
  Top Layer w0.203: C103.1@-97.756,-0.221 -96.582,-0.221 -96.525,-0.163 -96.525,0.523 -96.261,0.787 -94.752,0.787 -93.694,-0.27 U8.13@-93.119,-0.27
XTAL3_OUT: C105.1 U8.14 Y6.3 | length 4
  Top Layer w0.203: C105.1@-95.45,-2.766 -95.45,-1.538 -95.475,-1.513 -95.475,-1.463 -94.782,-0.77 U8.14@-93.119,-0.77
XTAL4_IN: C137.1 U9.13 Y8.1 | length 5.8
  Top Layer w0.203: C137.1@-4.581,-0.703 -3.407,-0.703 -3.35,-0.645 -3.35,-0.012 -3.134,0.204 -1.476,0.204 -0.519,-0.753 U9.13@0.056,-0.753
XTAL4_OUT: C139.1 U9.14 Y8.3 | length 4
  Top Layer w0.203: C139.1@-2.275,-3.248 -2.275,-2.02 -2.3,-1.995 -2.3,-1.945 -1.607,-1.253 U9.14@0.056,-1.253
XTAL5_IN: C136.1 U7.13 Y7.1 | length 5.8
  Top Layer w0.203: C136.1@25.702,-0.729 26.875,-0.729 Y7.1@26.932,-0.671 26.932,-0.001 27.111,0.178 28.807,0.178 29.763,-0.778 U7.13@30.339,-0.778
XTAL5_OUT: C138.1 U7.14 Y7.3 | length 4
  Top Layer w0.203: C138.1@28.007,-3.274 28.007,-2.046 Y7.3@27.982,-2.021 27.982,-1.971 28.675,-1.278 U7.14@30.339,-1.278
XXTAL0: C25.1 U1.97 Y1.3 | length 5.2
  Top Layer w0.203: C25.1@-25.234,14.45 -24.114,14.45 Y1.3@-23.995,14.569 -23.995,15.223 -23.77,15.447 U1.97@-20.792,15.447
pads on no net: J6. J6.A8 J6.B8 J7.WP J8.WP J9.WP J10.WP J11.WP J12.WP J13.WP J14.WP J15.WP J16.WP U1.3 U1.4 U1.12 U1.13 U1.44 U1.45 U1.46 U1.47 U1.48 U1.49 U1.50 U1.51 U1.52 U1.54 U1.56 U1.57 U1.58 U1.59 U1.60 U1.61 U1.66 U1.72 U1.73 U1.74 U1.75 U1.76 U1.77 U1.80 U2.11 U3.1 U3.2 U3.9 U3.10 U3.11 U3.12 U3.13 U3.14 U3.19 U3.22 U3.28 U3.32 U4.1 U4.2 U4.10 U4.11 U4.12 U4.13 U4.14 U4.15 U4.16 U4.17 U4.18 U4.19 U4.20 U4.21 U4.22 U4.23 U4.24 U4.27 U4.28 U5.1 U6.2 U6.17 U6.18 U6.19 U6.20 U6.35 U6.45 U6.46 U6.47 U6.48 U7.2 U7.17 U7.18 U7.19 U7.20 U7.35 U7.45 U7.46 U7.47 U7.48 U8.2 U8.17 U8.18 U8.19 U8.20 U8.35 U8.45 U8.46 U8.47 U8.48 U9.2 U9.17 U9.18 U9.19 U9.20 U9.35 U9.45 U9.46 U9.47 U9.48 U10.2 U10.17 U10.18 U10.19 U10.20 U10.35 U10.45 U10.46 U10.47 U10.48 U25.1 U26.1

## Polygon pours and split planes (outlines as drawn)
VBUS on Top Layer "Top Layer-VBUS" (solid, pour order 23): -102.184,-15.316 -99.212,-18.288 27.61,-18.288 27.61,-15.748 -98.445,-15.748 -99.415,-14.777 -99.415,-11.944 -97.561,-10.09 -97.561,-6.909 -99.212,-5.258 -99.212,5.613 -96.914,7.912 -72.098,7.912 -71.374,8.636 -71.374,31.902 -65.38,37.897 -1.956,37.897 -0.94,36.881 4.851,36.881 5.359,36.373 8.28,36.373 8.661,36.754 8.661,38.481 8.103,39.04 5.182,39.04 5.182,41.834 4.801,42.214 -1.956,42.214 -68.383,41.904 -74.752,35.535 -74.752,10.414 -75.203,9.963 -99.764,9.786 -102.184,7.366
GND on Top Layer "NONET_L02_P-001" (solid, pour order 8): 1.321,20.117 1.194,19.99 1.194,18.339 1.575,17.958 5.004,17.958 5.385,18.339 5.385,19.863 5.131,20.117
NetC40_2 on Top Layer "NONET_L02_P-001" (solid, pour order 13): 6.711,35.101 5.992,35.101 4.724,33.833 3.886,33.833 3.734,33.68 3.734,32.563 3.912,32.385 6.452,32.385 6.553,32.487 6.553,33.782 6.761,33.99 6.761,35.051
NetR35_1 on Top Layer "NONET_L02_P-001" (solid, pour order 12): 7.561,35.101 8.409,35.101 8.56,34.95 8.56,32.512 8.433,32.385 7.696,32.385 7.595,32.487 7.595,33.833 7.493,33.934 7.493,35.032
GND on Top Layer "NONET_L02_P-001" (solid, pour order 11): 1.118,35.484 0.914,35.281 0.914,34.214 1.143,33.985 4.572,33.985 5.867,35.281 8.357,35.281 8.407,35.331 8.407,35.585 8.331,35.662 4.775,35.662 4.597,35.484
NetL1_1 on Top Layer "NONET_L02_P-001" (solid, pour order 10): 5.74,36.195 8.484,36.195 10.058,37.77 10.947,37.77 11.201,37.516 11.201,34.468 10.947,34.214 10.058,34.214 8.509,35.763 5.74,35.763
VBUS on Top Layer "NONET_L02_P-001" (solid, pour order 7): 1.067,24.816 0.686,24.435 0.686,22.022 1.067,21.641 5.258,21.641 6.655,23.038 8.052,23.038 8.179,23.165 8.179,24.054 8.052,24.181 6.528,24.181 6.147,23.8 4.218,23.8 3.861,24.157 3.861,24.816
GND on Top Layer "NONET_L02_P-001" (solid, pour order 5): 14.63,37.008 18.694,37.008 18.821,37.135 18.821,39.167 18.694,39.294 14.757,39.294 14.503,39.04 14.503,37.135
+1.2V on Top Layer "NONET_L02_P-001" (solid, pour order 4): 21.221,35.726 21.387,35.56 21.387,33.782 21.184,33.579 19.964,33.579 19.71,33.833 17.932,33.833 17.551,33.452 17.551,32.309 17.297,32.055 15.011,32.055 14.884,32.182 14.884,33.579 14.249,34.214 12.852,34.214 12.598,34.468 12.598,39.802 12.725,39.929 13.868,39.929 13.995,39.802 13.995,38.024 14.249,37.77 14.249,36.246 14.769,35.726
GND on Top Layer "NONET_L02_P-001" (solid, pour order 3): 23.673,29.134 20.117,29.134 19.863,29.388 19.863,31.42 20.117,31.674 23.673,31.674 23.836,31.511 23.836,29.297
+3.3V on Top Layer "NONET_L02_P-001" (solid, pour order 2): 19.99,27.864 23.673,27.864 24.054,27.483 24.054,19.482 23.927,19.355 21.895,19.355 21.641,19.609 21.641,23.367 19.863,25.145 19.863,27.737
NetC37_1 on Top Layer "NONET_L02_P-001" (solid, pour order 1): 18.339,23.419 18.593,23.165 18.593,19.736 17.831,18.974 11.1,18.974 10.465,19.609 10.465,21.895 10.719,22.149 11.862,22.149 12.37,22.657 12.37,23.292 12.497,23.419
+3.3V on Int3_PWR1 "NONET_L02_P-001" (solid, pour order 20): -103.226,-15.57 -103.226,10.338 -75.54,10.338 -75.54,43.104 26.349,43.104 26.349,10.328 54.127,10.328 54.127,-15.57
NetC112_2 on Int3_PWR1 "NONET_L02_P-001" (solid, pour order 18): 38.317,2.057 40.73,-0.356 40.73,-8.636 39.282,-10.084 29.274,-10.084 27.776,-8.585 27.776,-1.139 28.839,-0.076 31.154,-0.076 31.814,0.584 31.814,1.321 32.551,2.057 32.983,2.057
NetC108_2 on Int3_PWR1 "NONET_L02_P-001" (solid, pour order 17): 8.034,2.083 10.447,-0.33 10.447,-8.61 9,-10.058 -1.008,-10.058 -2.507,-8.559 -2.507,-1.113 -1.444,-0.05 0.872,-0.05 1.532,0.61 1.532,1.347 2.269,2.083 2.7,2.083
NetC70_2 on Int3_PWR1 "NONET_L02_P-001" (solid, pour order 16): -23.222,1.422 -20.809,-0.991 -20.809,-9.271 -22.256,-10.719 -32.264,-10.719 -33.763,-9.22 -33.763,-1.774 -32.7,-0.711 -29.891,-0.711 -27.757,1.422
NetC74_2 on Int3_PWR1 "NONET_L02_P-001" (solid, pour order 15): -54.943,2.184 -52.53,-0.229 -52.53,-8.509 -53.978,-9.957 -63.986,-9.957 -65.484,-8.458 -65.484,-1.012 -64.421,0.051 -62.106,0.051 -61.446,0.711 -61.446,1.448 -60.709,2.184 -60.277,2.184
NetC54_2 on Int3_PWR1 "NONET_L02_P-001" (solid, pour order 19): -85.141,2.565 -82.728,0.152 -82.728,-8.128 -84.176,-9.576 -94.183,-9.576 -95.682,-8.077 -95.682,-0.631 -94.619,0.432 -92.304,0.432 -91.643,1.092 -91.643,1.829 -90.907,2.565 -90.475,2.565
VBUS on Bottom Layer "NONET_L02_P-001" (solid, pour order 27): -74.016,2.261 -74.016,41.732 -73.406,42.342 24.816,42.342 25.425,41.732 25.425,20.142 24.511,19.228 -1.93,19.228 -4.572,21.869 -4.572,27.838 -6.782,30.048 -46.584,30.048 -47.168,29.464 -47.168,7.95 -47.727,7.391 -67.589,7.391 -72.72,2.261
GND on Int1_GND1 "NONET_L02_P-001" (solid, pour order 0): -103.226,-43.51 -103.226,10.338 -75.54,10.338 -75.54,43.104 26.349,43.104 26.349,10.328 54.127,10.328 54.127,-43.51
GND on Int4_GND2 "NONET_L02_P-001" (solid, pour order 26): -103.536,-43.488 -103.536,10.36 -75.85,10.36 -75.85,43.126 26.038,43.126 26.038,10.35 53.817,10.35 53.817,-43.488
+1.2V on Int2 Sig1 "NONET_L02_P-001" (solid, pour order 28): -19.634,41.986 -21.336,40.284 -21.336,14.427 -20.066,13.157 -11.176,13.157 -9.687,11.669 -2.388,11.669 -1.803,12.253 -1.803,14.847 -2.602,15.646 -7.95,15.646 -9.119,16.815 -10.338,16.815 -10.846,17.323 -10.846,18.364 -10.668,18.542 -9.22,18.542 -8.56,19.202 -8.56,32.36 -6.426,34.493 -1.803,34.493 -0.127,32.817 -0.127,23.419 1.016,22.276 25.273,22.276 25.629,22.631 25.629,41.681 25.324,41.986

## Silkscreen, mask and mechanical layers (free items; w line width, h text height)
Top Overlay:
  circle w0.2: c18.526,-2.483 r0.1
  circle w0.2: c18.542,0.373 r0.1
  circle w0.2: c-11.434,-1.014 r0.1
  circle w0.2: c-11.339,1.593 r0.1
  circle w0.2: c-42.911,-1.18 r0.1
  circle w0.2: c-42.911,1.617 r0.1
  circle w0.2: c-74.876,-2.821 r0.1
  circle w0.2: c-74.876,0.089 r0.1
  circle w0.2: c-98.658,2.994 r0.1
  circle w0.2: c-98.732,5.889 r0.1
  circle w0.2: c-34.699,16.766 r0.1
  circle w0.2: c-38.034,16.724 r0.1
  circle w0.2: c-50.606,26.11 r0.1
  circle w0.2: c-43.764,25.917 r0.1
  circle w0.2: c-50.585,32.267 r0.1
  circle w0.2: c-42.799,33.755 r0.1
Board:
  the board outline again, w0.1

## Text inside footprints (layer, text, board x,y; h text height)
C29: Mechanical 32 "2" at -67.546,16.838 h1; Mechanical 32 "1" at -65.546,16.838 h1
J6: Mechanical 13 "PCB Edge" at -31.548,43.36 h1 r180